# Altium PCB PCB3.PcbDoc (part 3 of 3)
Units mm, origin at the board's own origin, x right, y up, seen from the top; angles counter-clockwise.
Board outline 202.9 x 84.5 mm, 4 copper layers (Top Layer, GND, POWER, Bottom Layer), stack 1.564 mm thick; 186 components, 192 nets, 845 pads, 410 vias.
Unrouted connection lines stored in the file: 199.
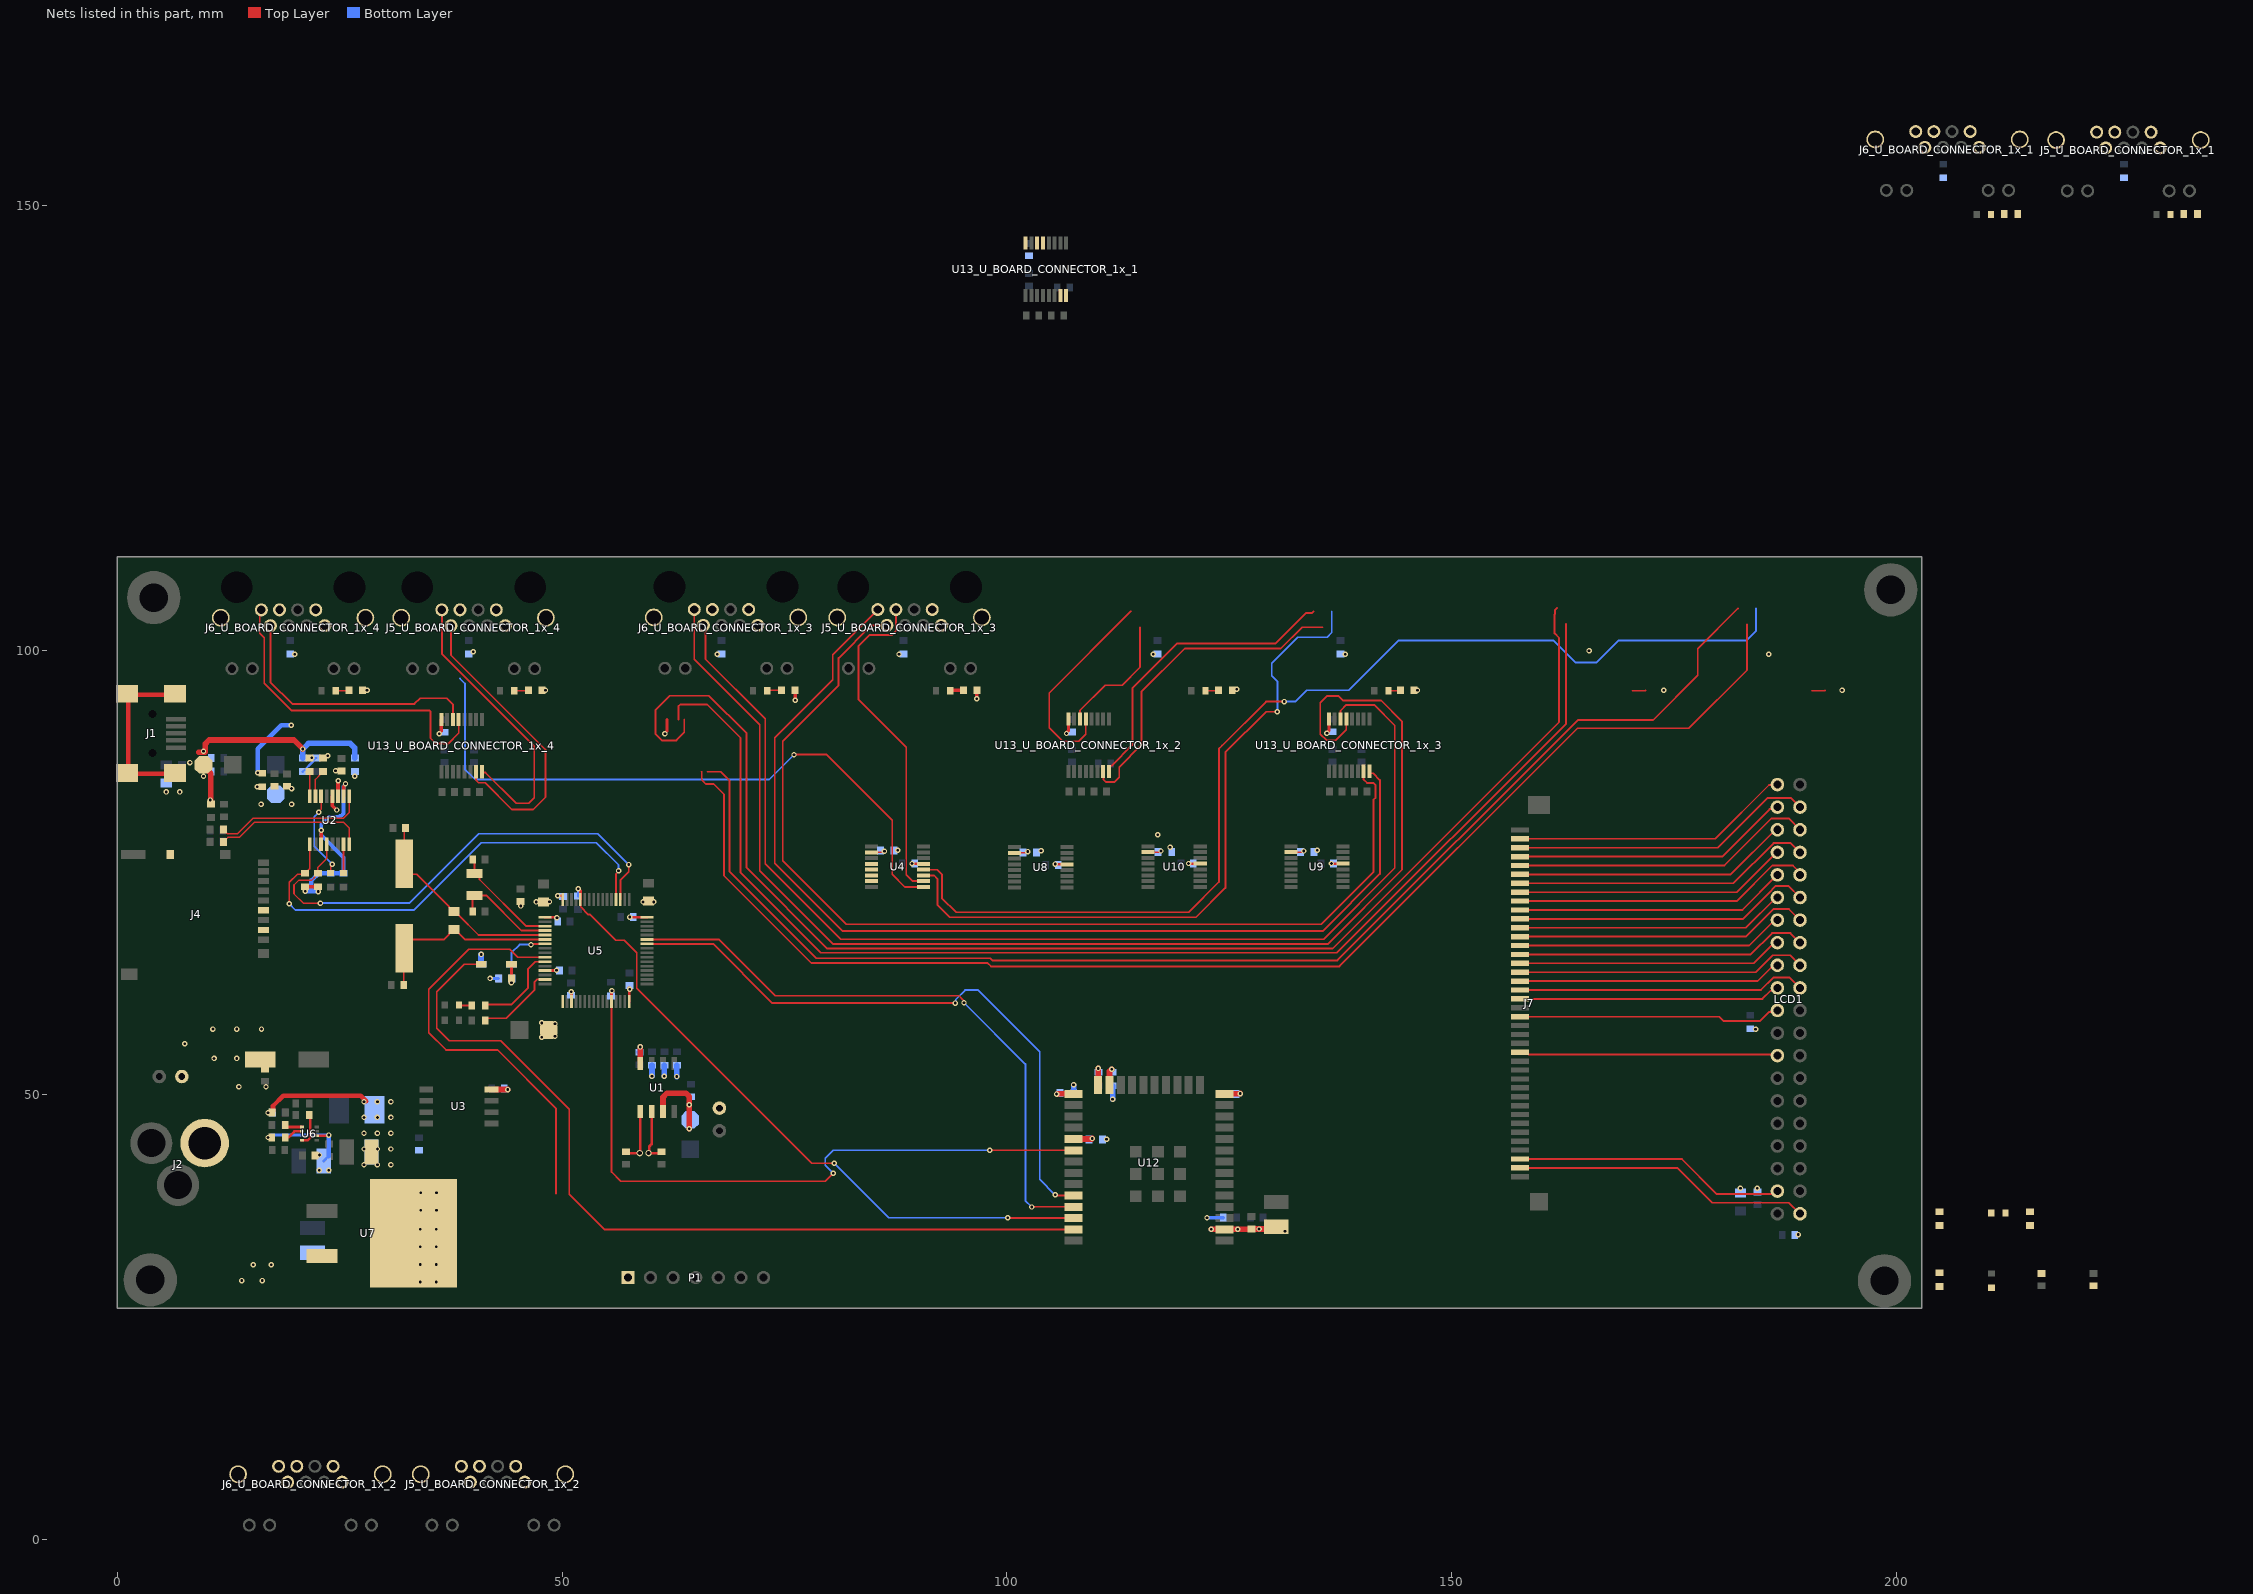
[diagram p5: the nets of this part, all layers, seen from the top]

## Via types
v1: diameter 0.61, hole 0.305, Top Layer to Bottom Layer, tented both sides, 344 vias
v2: diameter 0.61, hole 0.305, Top Layer to Bottom Layer, 66 vias

## Nets (pads, with @x,y where several pads share a name; then routed paths per layer and width w, separated by ;. In a path a pad name is that pad's centre, name@x,y a point inside that pad or via, vN(x,y) a via of type N, cw(c..) or ccw(c..) an arc to the next point about the centre after c; other vN are vias at no path point) (continued)
NetD6_1: D6.1 R33.1 | length 1.5
  Top Layer w0.203: D6.1@38.4,60.1 38.449,60.052 R33.1@39.838,60.052
NetD7_U_BOARD_CONNECTOR_1x_1_1: D7_U_BOARD_CONNECTOR_1x_1.1 R34_U_BOARD_CONNECTOR_1x_1.1 | length 1.5
  Top Layer w0.203: 190.538,95.455 191.975,95.455 192.024,95.504
NetD7_U_BOARD_CONNECTOR_1x_2_1: D7_U_BOARD_CONNECTOR_1x_2.1 R34_U_BOARD_CONNECTOR_1x_2.1 | length 1.4
  Top Layer w0.203: D7_U_BOARD_CONNECTOR_1x_2.1@142.913,95.455 144.223,95.455 R34_U_BOARD_CONNECTOR_1x_2.1@144.272,95.504
NetD7_U_BOARD_CONNECTOR_1x_3_1: D7_U_BOARD_CONNECTOR_1x_3.1 R34_U_BOARD_CONNECTOR_1x_3.1 | length 1.5
  Top Layer w0.381: D7_U_BOARD_CONNECTOR_1x_3.1@93.637,95.455 93.686,95.504 R34_U_BOARD_CONNECTOR_1x_3.1@95.123,95.504
NetD7_U_BOARD_CONNECTOR_1x_4_1: D7_U_BOARD_CONNECTOR_1x_4.1 R34_U_BOARD_CONNECTOR_1x_4.1 | length 1.6
  Top Layer w0.203: D7_U_BOARD_CONNECTOR_1x_4.1@44.615,95.455 46.179,95.455 R34_U_BOARD_CONNECTOR_1x_4.1@46.228,95.504
NetD8_U_BOARD_CONNECTOR_1x_1_1: D8_U_BOARD_CONNECTOR_1x_1.1 R35_U_BOARD_CONNECTOR_1x_1.1 | length 1.5
  Top Layer w0.203: 170.345,95.455 171.782,95.455 171.831,95.504
NetD8_U_BOARD_CONNECTOR_1x_2_1: D8_U_BOARD_CONNECTOR_1x_2.1 R35_U_BOARD_CONNECTOR_1x_2.1 | length 1.5
  Top Layer w0.203: D8_U_BOARD_CONNECTOR_1x_2.1@122.339,95.455 123.776,95.455 R35_U_BOARD_CONNECTOR_1x_2.1@123.825,95.504
NetD8_U_BOARD_CONNECTOR_1x_3_1: D8_U_BOARD_CONNECTOR_1x_3.1 R35_U_BOARD_CONNECTOR_1x_3.1 | length 1.6
  Top Layer w0.203: D8_U_BOARD_CONNECTOR_1x_3.1@73.063,95.455 73.112,95.504 R35_U_BOARD_CONNECTOR_1x_3.1@74.676,95.504
NetD8_U_BOARD_CONNECTOR_1x_4_1: D8_U_BOARD_CONNECTOR_1x_4.1 R35_U_BOARD_CONNECTOR_1x_4.1 | length 1.5
  Top Layer w0.203: D8_U_BOARD_CONNECTOR_1x_4.1@24.549,95.455 25.986,95.455 R35_U_BOARD_CONNECTOR_1x_4.1@26.035,95.504
NetD9_1: D9.1 R37.1
NetD10_1: D10.1 R39.1
NetJ7_3: J7.3 LCD1.3 | length 34.3
  Top Layer w0.203: J7.3@157.7,77.8 179.971,77.8 185.571,83.4 186.227,83.4 186.229,83.401 188.159,83.401 LCD1.3@189.2,82.36
NetJ7_4: J7.4 LCD1.4 | length 31.3
  Top Layer w0.203: J7.4@157.7,76.8 180.438,76.8 185.778,82.14 186.44,82.14 LCD1.4@186.66,82.36
NetJ7_5: J7.5 LCD1.5 | length 34.2
  Top Layer w0.203: J7.5@157.7,75.8 180.696,75.8 185.996,81.1 187.92,81.1 LCD1.5@189.2,79.82
NetJ7_6: J7.6 LCD1.6 | length 31
  Top Layer w0.203: J7.6@157.7,74.8 181.422,74.8 186.442,79.82 LCD1.6@186.66,79.82
NetJ7_7: J7.7 LCD1.7 | length 33.8
  Top Layer w0.203: J7.7@157.7,73.8 181.707,73.8 186.229,78.321 188.159,78.321 LCD1.7@189.2,77.28
NetJ7_8: J7.8 LCD1.8 | length 30.8
  Top Layer w0.203: J7.8@157.7,72.8 182.083,72.8 186.563,77.28 LCD1.8@186.66,77.28
NetJ7_9: J7.9 LCD1.9 | length 33.7
  Top Layer w0.203: J7.9@157.7,71.8 182.1,71.8 186.1,75.8 188.4,75.8 189.2,75 LCD1.9@189.2,74.74
NetJ7_10: J7.10 LCD1.10 | length 30.6
  Top Layer w0.203: J7.10@157.7,70.8 182.72,70.8 LCD1.10@186.66,74.74
NetJ7_11: J7.11 LCD1.11 | length 33.6
  Top Layer w0.203: J7.11@157.7,69.8 182.8,69.8 185.619,72.619 185.619,72.631 186.487,73.5 187.9,73.5 LCD1.11@189.2,72.2
NetJ7_12: J7.12 LCD1.12 | length 30.4
  Top Layer w0.203: J7.12@157.7,68.8 183.114,68.8 186.514,72.2 LCD1.12@186.66,72.2
NetJ7_13: J7.13 LCD1.13 | length 33.3
  Top Layer w0.203: J7.13@157.7,67.8 183.1,67.8 186.2,70.9 187.96,70.9 LCD1.13@189.2,69.66
NetJ7_14: J7.14 LCD1.14 | length 30.1
  Top Layer w0.203: J7.14@157.7,66.8 183.469,66.8 186.329,69.66 LCD1.14@186.66,69.66
NetJ7_15: J7.15 LCD1.15 | length 32.9
  Top Layer w0.203: J7.15@157.7,65.8 183.662,65.8 186.062,68.2 188.12,68.2 LCD1.15@189.2,67.12
NetJ7_16: J7.16 LCD1.16 | length 29.9
  Top Layer w0.203: J7.16@157.7,64.8 183.984,64.8 186.304,67.12 LCD1.16@186.66,67.12
NetJ7_17: J7.17 LCD1.17 | length 32.8
  Top Layer w0.203: J7.17@157.7,63.8 184.226,63.8 186.126,65.7 188.08,65.7 LCD1.17@189.2,64.58
NetJ7_18: J7.18 LCD1.18 | length 29.7
  Top Layer w0.203: J7.18@157.7,62.8 184.42,62.8 185.947,64.327 186.407,64.327 LCD1.18@186.66,64.58
NetJ7_19: J7.19 LCD1.19 | length 32.6
  Top Layer w0.203: J7.19@157.7,61.8 184.8,61.8 186.2,63.2 188.04,63.2 LCD1.19@189.2,62.04
NetJ7_20: J7.20 LCD1.20 | length 29.5
  Top Layer w0.203: J7.20@157.7,60.8 184.968,60.8 185.883,61.715 185.978,61.715 186.303,62.04 LCD1.20@186.66,62.04
NetJ7_22: J7.22 LCD1.22 | length 29.7
  Top Layer w0.203: J7.22@157.7,58.8 180.1,58.8 180.6,58.3 184.677,58.3 185.717,59.34 186.5,59.34 LCD1.22@186.66,59.5
NetJ7_26: J7.26 LCD1.26 | length 29.1
  Top Layer w0.203: J7.26@157.7,54.8 158.4,54.8 158.656,54.544 186.536,54.544 LCD1.26@186.66,54.42
NetR4_2: R4.2 U4.2 | length 1.6
  Top Layer w0.203: U4.2@84.778,77.281 86.002,77.281 86.132,77.411 v1@86.311,77.411
  other v1: 86.244,77.413
NetR5_2: R5.2 U8.2 | length 1.6
  Top Layer w0.203: U8.2@100.889,77.231 102.113,77.231 102.243,77.361 v1@102.422,77.361
  other v1: 102.355,77.363
NetR6_2: R6.2 U9.2 | length 1.6
  Top Layer w0.203: U9.2@131.946,77.297 133.17,77.297 133.3,77.427 v1@133.479,77.427
  other v1: 133.412,77.429
NetR11_2: R11.2 U10.2 | length 1.6
  Top Layer w0.203: U10.2@115.882,77.297 117.106,77.297 117.236,77.427 v1@117.415,77.427
  other v1: 117.348,77.429
NetR12_2: R12.2 U12.25 | length 1.8
  Top Layer w0.635: v1@105.7,50.1 105.724,50.124 U12.25@107.498,50.124
  other v1: 105.6,50.1
NetR13_2: R13.2 U12.29 | length 2.1
  Top Layer w0.635: U12.29@107.498,45.044 109.544,45.044 v1(109.6,45.1)
NetR17_2: R17.2 U2.15 | length 3.2
  Top Layer w0.178: U2.15@22.258,83.595 22.258,85.48 22.778,86 22.778,86.064 23.07,86.356 R17.2@23.134,86.356
NetR20_2: R20.2 U12.23 | length 1.9
  Top Layer w0.635: U12.23@111.553,51.124 111.553,52.653 v1(111.8,52.9)
NetR21_1: R21.1 U12.14 | length 1.8
  Top Layer w0.635: U12.14@124.498,50.124 126.227,50.124 v1(126.258,50.156)
NetR23_1: R23.1 R24.2 R25.1 | length 2.2
  Bottom Layer w0.254: R23.1@20.848,86.356 22.054,87.562 22.054,87.626 22.308,87.88 R25.1@22.372,87.88
  other v2: 21.847,87.916
NetR26_1: R26.1 U12.24 | length 1.9
  Top Layer w0.635: U12.24@110.283,51.124 110.283,52.97 v1(110.295,52.982)
NetR32_2: R32.2 U5.15 | length 9.2
  Top Layer w0.203: R32.2@41.362,58.351 41.639,58.629 43.729,58.629 46.884,61.784 46.884,62.684 47.2,63 48.052,63 U5.15@48.068,62.984
NetR33_2: R33.2 U5.11 | length 10
  Top Layer w0.203: R33.2@41.362,60.052 41.479,60.168 43.342,60.168 43.358,60.184 44.345,60.184 46.152,61.992 46.152,64.152 46.984,64.984 U5.11@48.068,64.984
NetR43_2: R43.2 U6.8 | length 3.8
  Top Layer w0.305: U6.8@20.739,44.902 U6.8@20.739,44.902 21.373,44.9 21.689,45.217 R43.2@21.689,47.944
NetR52_1: R52.1 U6.6 | length 2.1
  Top Layer w0.305: R52.1@18.88,45.228 19.237,45.228 19.911,45.902 U6.6@20.739,45.902
NetR53_1: R53.1 U6.5 | length 2
  Top Layer w0.305: R53.1@18.88,46.628 19.106,46.402 U6.5@20.739,46.402
nRST: C12.1 D1.1 D2.1 R10.1 U5.7 | length 8.7
  Top Layer w0.203: v1(46.5,66.9) 46.61,66.9 46.694,66.984 U5.7@48.068,66.984
  Top Layer w0.305: C12.1@44.3,63.1 D2.1@44.3,64.7
  Bottom Layer w0.203: R10.1@44.3,63.162 R10.1@44.362,63.1 ; D1.1@44.3,64.7 44.3,65.975 45.225,66.9 v1(46.5,66.9)
  Bottom Layer w0.254: R10.1@44.3,63.162 D1.1@44.3,64.7
  other v1: 44.3,62.6
OSC32_IN: C52.1 U5.3 X2.1 | length 12.2
  Top Layer w0.203: C52.1@39.94,76.454 40.132,76.262 X2.1@40.132,74.91 40.312,74.91 40.711,74.512 40.711,74.224 45.951,68.984 U5.3@48.068,68.984
OSC32_OUT: C53.1 U5.4 X2.2 | length 11.4
  Top Layer w0.203: C53.1@39.94,70.612 39.94,72.218 X2.2@40.132,72.41 41.509,72.41 45.435,68.484 U5.4@48.068,68.484
OSC_IN: C51.1 R36.1 U5.5 X3.1 | length 23.4
  Top Layer w0.203: C51.1@32.385,80.01 32.258,79.883 X3.1@32.258,75.997 32.258,75.71 33.156,74.811 33.647,74.811 37.313,71.145 37.313,71.018 37.719,70.612 37.973,70.612 38.379,70.206 40.601,67.984 U5.5@48.068,67.984
OSC_OUT: C13.1 R36.2 U5.6 X3.2 | length 21.4
  Top Layer w0.203: C13.1@32.196,62.357 32.196,66.435 X3.2@32.258,66.497 32.258,66.586 33.156,67.484 36.75,67.484 37.313,68.047 37.313,68.174 37.719,68.58 37.973,68.58 39.069,67.484 46.258,67.484 46.742,67.484 U5.6@48.068,67.484
RS232_RX_L_U_BOARD_CONNECTOR_1x_1: J6_U_BOARD_CONNECTOR_1x_1.1 U13_U_BOARD_CONNECTOR_1x_1.13 | length 154.7
  Top Layer w0.203: 63.74,92.223 63.74,90.76 62.849,89.87 61.22,89.87 60.511,90.578 60.511,93.316 62.091,94.896 66.509,94.896 70.739,90.666 70.739,75.543 79.827,66.454 136.63,66.454 162.1,91.924 162.1,101.4 161.6,101.9 161.6,104.012 161.639,104.051 161.639,104.519 161.88,104.76
RS232_RX_L_U_BOARD_CONNECTOR_1x_2: J6_U_BOARD_CONNECTOR_1x_2.1 U13_U_BOARD_CONNECTOR_1x_2.13 | length 23.7
  Top Layer w0.203: U13_U_BOARD_CONNECTOR_1x_2.13@108.888,92.262 108.888,90.565 108.09,89.767 106.312,89.767 104.775,91.304 104.775,95.195 113.96,104.38
RS232_RX_L_U_BOARD_CONNECTOR_1x_3: J6_U_BOARD_CONNECTOR_1x_3.1 U13_U_BOARD_CONNECTOR_1x_3.13 | length 147.3
  Top Layer w0.203: J6_U_BOARD_CONNECTOR_1x_3.1@64.86,104.59 64.86,98.999 72.214,91.645 72.214,75.229 80.476,66.967 136.078,66.967 144.458,75.347 144.458,91.986 142.083,94.361 137.795,94.361 137.287,94.869 136.017,94.869 135.255,94.107 135.255,90.581 135.963,89.873 136.993,89.873 138.179,91.059 U13_U_BOARD_CONNECTOR_1x_3.13@138.179,92.276
RS232_RX_L_U_BOARD_CONNECTOR_1x_4: J6_U_BOARD_CONNECTOR_1x_4.1 U13_U_BOARD_CONNECTOR_1x_4.13 | length 37
  Top Layer w0.203: J6_U_BOARD_CONNECTOR_1x_4.1@16.178,104.544 16,104.366 16,101.9 16.5,101.4 16.5,96.3 19.561,93.239 35.081,93.239 35.2,93.12 35.2,90.105 35.8,89.505 37.181,89.505 38.375,90.699 U13_U_BOARD_CONNECTOR_1x_4.13@38.375,92.223
RS232_RX_V_U_BOARD_CONNECTOR_1x_1: J5_U_BOARD_CONNECTOR_1x_1.1 U13_U_BOARD_CONNECTOR_1x_1.8 | length 148.8
  Top Layer w0.203: 66.34,86.347 67.831,86.347 68.834,85.344 68.834,75.09 78.557,65.367 98.141,65.367 98.384,65.124 137.183,65.124 164.209,92.15 172.668,92.15 177.698,97.18 177.698,100.178 182.22,104.7
RS232_RX_V_U_BOARD_CONNECTOR_1x_2: J5_U_BOARD_CONNECTOR_1x_2.1 U13_U_BOARD_CONNECTOR_1x_2.8 | length 34.5
  Top Layer w0.203: U13_U_BOARD_CONNECTOR_1x_2.8@111.488,86.386 111.488,86.898 111.611,87.022 111.787,87.022 114.129,89.364 114.129,95.714 119.189,100.774 130.238,100.774 133.643,104.179 134.299,104.179 134.5,104.38
RS232_RX_V_U_BOARD_CONNECTOR_1x_3: J5_U_BOARD_CONNECTOR_1x_3.1 U13_U_BOARD_CONNECTOR_1x_3.8 | length 119.4
  Top Layer w0.203: J5_U_BOARD_CONNECTOR_1x_3.1@85.5,104.58 80.439,99.519 80.439,96.695 73.914,90.17 73.914,76.073 81.56,68.427 135.53,68.427 141.962,74.858 141.962,85.4 141.19,86.172 140.902,86.172 140.779,86.296 U13_U_BOARD_CONNECTOR_1x_3.8@140.779,86.4
RS232_RX_V_U_BOARD_CONNECTOR_1x_4: J5_U_BOARD_CONNECTOR_1x_4.1 U13_U_BOARD_CONNECTOR_1x_4.8 | length 33
  Top Layer w0.203: J5_U_BOARD_CONNECTOR_1x_4.1@36.479,104.544 36.479,99.617 46.863,89.232 46.863,83.439 46.228,82.804 44.831,82.804 41.386,86.249 41.098,86.249 41.001,86.347 U13_U_BOARD_CONNECTOR_1x_4.8@40.975,86.347
RS232_TX_L_U_BOARD_CONNECTOR_1x_1: J6_U_BOARD_CONNECTOR_1x_1.2 U13_U_BOARD_CONNECTOR_1x_1.14 | length 143.7
  Top Layer w0.203: 63.09,92.223 63.09,93.718 63.278,93.907 66.305,93.907 70.073,90.139 70.073,74.977 79.071,65.979 137.121,65.979 162.9,91.758 162.9,102.98
RS232_TX_L_U_BOARD_CONNECTOR_1x_2: J6_U_BOARD_CONNECTOR_1x_2.2 U13_U_BOARD_CONNECTOR_1x_2.14 | length 14.2
  Top Layer w0.203: U13_U_BOARD_CONNECTOR_1x_2.14@108.238,92.262 108.238,93.252 111.061,96.075 112.966,96.075 114.98,98.089 114.98,102.6
RS232_TX_L_U_BOARD_CONNECTOR_1x_3: J6_U_BOARD_CONNECTOR_1x_3.2 U13_U_BOARD_CONNECTOR_1x_3.14 | length 131.6
  Top Layer w0.203: J6_U_BOARD_CONNECTOR_1x_3.2@65.88,102.81 66.12,102.57 66.12,99.009 72.849,92.28 72.849,75.995 81.335,67.509 135.628,67.509 143.637,75.518 143.637,91.545 141.329,93.853 138.176,93.853 137.529,93.206 U13_U_BOARD_CONNECTOR_1x_3.14@137.529,92.276
RS232_TX_L_U_BOARD_CONNECTOR_1x_4: J6_U_BOARD_CONNECTOR_1x_4.2 U13_U_BOARD_CONNECTOR_1x_4.14 | length 30.1
  Top Layer w0.203: J6_U_BOARD_CONNECTOR_1x_4.2@17.198,102.764 17.2,102.763 17.2,96.416 19.646,93.97 33.391,93.97 34.036,94.615 37.026,94.615 37.725,93.916 U13_U_BOARD_CONNECTOR_1x_4.14@37.725,92.223
RS232_TX_V_U_BOARD_CONNECTOR_1x_1: J5_U_BOARD_CONNECTOR_1x_1.2 U13_U_BOARD_CONNECTOR_1x_1.7 | length 151.5
  Top Layer w0.203: 65.69,86.347 65.706,86.33 65.706,85.424 66.167,84.963 67.056,84.963 68.205,83.814 68.205,74.663 78.043,64.825 97.861,64.825 98.228,64.458 137.41,64.458 164.177,91.226 176.697,91.226 183.24,97.769 183.24,102.92
RS232_TX_V_U_BOARD_CONNECTOR_1x_2: J5_U_BOARD_CONNECTOR_1x_2.2 U13_U_BOARD_CONNECTOR_1x_2.7 | length 37.1
  Top Layer w0.203: U13_U_BOARD_CONNECTOR_1x_2.7@110.838,86.386 110.879,86.345 110.879,85.463 111.168,85.174 112.098,85.174 112.649,85.725 112.649,86.868 115.145,89.364 115.145,95.333 120.015,100.203 130.81,100.203 133.207,102.6 135.52,102.6
RS232_TX_V_U_BOARD_CONNECTOR_1x_3: J5_U_BOARD_CONNECTOR_1x_3.2 U13_U_BOARD_CONNECTOR_1x_3.7 | length 116.6
  Top Layer w0.203: J5_U_BOARD_CONNECTOR_1x_3.2@86.52,102.8 84.766,102.8 81.089,99.123 81.089,96.075 74.803,89.789 74.803,76.327 81.944,69.186 135.353,69.186 141.224,75.057 141.224,83.185 141.478,83.439 141.478,84.836 141.224,85.09 140.504,85.09 140.129,85.465 U13_U_BOARD_CONNECTOR_1x_3.7@140.129,86.4
RS232_TX_V_U_BOARD_CONNECTOR_1x_4: J5_U_BOARD_CONNECTOR_1x_4.2 U13_U_BOARD_CONNECTOR_1x_4.7 | length 34.4
  Top Layer w0.203: J5_U_BOARD_CONNECTOR_1x_4.2@37.499,102.764 37.499,99.468 48.133,88.834 48.133,83.482 46.751,82.1 44.345,82.1 41.34,85.105 40.6,85.105 40.325,85.38 U13_U_BOARD_CONNECTOR_1x_4.7@40.325,86.347
RXD: R15.2 U2.4 U5.51 | length 55.3
  Top Layer w0.178: v1(22.82,71.548) 20.907,71.548 19.853,72.601 19.853,73.608 20.41,74.164 21.864,74.164 22.186,74.486 22.186,74.634 22.478,74.926 R15.2@22.541,74.926 22.541,75.603 23.528,76.59 U2.4@23.528,78.171
  Top Layer w0.203: U5.51@56.556,71.972 56.556,74.149 57.498,75.091 v1(57.498,75.907)
  Bottom Layer w0.203: v1(22.82,71.548) 22.82,71.392 22.839,71.374 23.055,71.591 32.856,71.591 40.64,79.375 54.029,79.375 v1(57.498,75.907)
RXLED: D4.2 U2.14 | length 9.9
  Top Layer w0.178: v2(22.626,81.784) 22.626,81.836 22.894,82.104 U2.14@22.894,83.595 ; D4.2@23.977,74.964 23.977,75.652 24.15,75.825 v2(24.15,75.942)
  Bottom Layer w0.178: v2(22.626,81.784) 22.626,81.76 22.133,81.267 22.133,77.959 v2(24.15,75.942)
SDCARD_CS: J4.2 U5.10 | length 47.6
  Top Layer w0.203: U5.10@48.068,65.484 45.016,65.484 44.116,66.384 39.484,66.384 35,61.9 35,57 36.95,55.05 42.75,55.05 49.3,48.5 49.3,38.933
SDCARD_DETECT: D9.2 J4.MP4 R38.2 U5.17
SHIELD: C86.2 J1.MP1 J1.MP2 J1.MP3 J1.MP4 J5_U_BOARD_CONNECTOR_1x_1.MH1 J5_U_BOARD_CONNECTOR_1x_1.MH2 J5_U_BOARD_CONNECTOR_1x_2.MH1 J5_U_BOARD_CONNECTOR_1x_2.MH2 J5_U_BOARD_CONNECTOR_1x_3.MH1 J5_U_BOARD_CONNECTOR_1x_3.MH2 J5_U_BOARD_CONNECTOR_1x_4.MH1 J5_U_BOARD_CONNECTOR_1x_4.MH2 J6_U_BOARD_CONNECTOR_1x_1.MH1 J6_U_BOARD_CONNECTOR_1x_1.MH2 J6_U_BOARD_CONNECTOR_1x_2.MH1 J6_U_BOARD_CONNECTOR_1x_2.MH2 J6_U_BOARD_CONNECTOR_1x_3.MH1 J6_U_BOARD_CONNECTOR_1x_3.MH2 J6_U_BOARD_CONNECTOR_1x_4.MH1 J6_U_BOARD_CONNECTOR_1x_4.MH2 R22.1 | length 19.7
  Top Layer w0.508: J1.MP2@6.624,86.092 1.204,86.092 1.204,94.992 J1.MP1@6.624,94.992
  other v2: 5.481,84.07 7.005,84.07
TXD: R16.2 U2.1 U5.52 | length 53.6
  Top Layer w0.178: v1(19.303,71.507) 19.324,71.528 19.324,73.913 20.238,74.827 21.003,74.827 R16.2@21.102,74.926 21.165,74.926 21.458,75.218 21.458,75.282 21.624,75.448 U2.1@21.624,78.171
  Top Layer w0.203: U5.52@56.056,71.972 56.056,74.875 56.349,75.168 v1(56.349,75.198)
  Bottom Layer w0.203: v1(19.303,71.507) 20.02,70.79 33.325,70.79 40.894,78.359 53.848,78.359 56.349,75.858 v1(56.349,75.198)
TXLED: D3.2 U2.7 | length 3.1
  Top Layer w0.178: D3.2@25.42,74.964 U2.7@25.42,78.114
UART1_RX: U5.43 U12.35 | length 69.5
  Top Layer w0.203: U5.43@59.544,67.484 67.619,67.484 73.95,61.153 94.629,61.153 95.116,60.666 95.116,60.454 v1(95.194,60.376) ; v1@102.8,37.424 U12.35@107.498,37.424
  Bottom Layer w0.203: v1(95.194,60.376) 102.1,53.47 102.1,38.1 v1(102.8,37.4)
UART1_TX: U5.42 U12.34 | length 69.4
  Top Layer w0.203: U5.42@59.544,66.984 66.978,66.984 73.633,60.329 v1(94.205,60.329) ; v1(105.456,38.791) 105.566,38.791 105.662,38.694 U12.34@107.498,38.694
  Bottom Layer w0.203: v1(94.205,60.329) 94.259,60.383 94.259,60.731 95.313,61.785 96.779,61.785 103.7,54.864 103.7,40.5 v1@105.4,38.8
USBDP_N: R18.2 U2.9 | length 17.2
  Top Layer w0.178: R18.2@11.918,79.839 11.918,79.776 12.21,79.484 12.273,79.484 12.369,79.388 13.523,79.388 15.234,81.099 25.42,81.099 26.068,81.747 U2.9@26.068,83.595
USBDP_P: R19.2 U2.8 | length 17.2
  Top Layer w0.178: R19.2@11.918,78.451 11.918,78.514 12.21,78.806 12.273,78.806 12.423,78.956 13.702,78.956 15.413,80.667 25.42,80.667 26.068,80.019 U2.8@26.068,78.171
V_SENSE1: J5_U_BOARD_CONNECTOR_1x_1.3 U4.4
V_SENSE2: J6_U_BOARD_CONNECTOR_1x_1.3 U4.5
V_SENSE3: J5_U_BOARD_CONNECTOR_1x_2.3 U4.6
V_SENSE4: J6_U_BOARD_CONNECTOR_1x_2.3 U4.7
V_SENSE5: J5_U_BOARD_CONNECTOR_1x_3.3 U4.12 | length 123.6
  Top Layer w0.203: U4.12@90.654,75.331 92.179,75.331 92.708,74.801 92.708,72.138 94.311,70.535 120.446,70.535 123.854,73.943 123.854,88.929 124.206,89.281 129.159,94.234 v1(131.191,94.234)
  Bottom Layer w0.203: v1(131.191,94.234) 132.461,94.234 133.731,95.504 138.435,95.504 144.023,101.092 161.509,101.092 163.983,98.618 166.309,98.618 168.783,101.092 183.134,101.092 184.26,102.218 184.26,104.7
V_SENSE6: J6_U_BOARD_CONNECTOR_1x_3.3 U4.11 | length 78.2
  Top Layer w0.203: U4.11@90.654,74.681 91.816,74.681 92.202,74.295 92.202,71.374 93.605,69.971 121.279,69.971 124.587,73.279 124.587,88.519 129.159,93.091 v1(130.429,93.091)
  Bottom Layer w0.203: v1(130.429,93.091) 130.429,96.52 129.794,97.155 129.794,98.552 132.715,101.473 136.017,101.473 136.54,101.996 136.54,104.38
V_SENSE7: J5_U_BOARD_CONNECTOR_1x_4.3 U4.10 | length 37.5
  Top Layer w0.203: 87.54,104.58 87.54,102.145 87.122,101.727 84.589,101.727 83.312,100.45 83.312,94.488 88.689,89.111 88.689,74.76 89.378,74.071 90.614,74.071 U4.10@90.654,74.031
V_SENSE8: J6_U_BOARD_CONNECTOR_1x_4.3 U4.9 | length 73.4
  Top Layer w0.203: v1(76.073,88.265) 79.756,88.265 87.128,80.893 87.128,74.797 88.544,73.381 U4.9@90.654,73.381
  Bottom Layer w0.203: 38.519,96.821 39.074,96.266 39.074,86.621 40.223,85.471 73.279,85.471 v1(76.073,88.265)
VBAT: C2.1 C3.1 J3.2 U1.3 | length 8.5
  Top Layer w0.635: U1.3@61.338,48.132 61.338,49.738 61.8,50.2 63.928,50.2 64.3,49.828 v1(64.3,46.2)
  other v1: 64.3,48.9
VBUS_SENSE: R24.1 U2.16 | length 2.8
  Top Layer w0.178: R24.1@21.61,86.356 21.61,85.848 21.624,85.834 U2.16@21.624,83.595
VCC_3V3: C1.1 C6.2 C7.2 C9.1 C10.2 C11.1 C14.2 C15.1 C16.1 C17.1 C18.1 C19.1 C20.1 C21.1 C22.1 C23.1 C24.1 C29.1 C30.2 C32.1 C34.2 C36.1 C37.2 C39_U_BOARD_CONNECTOR_1x_1.2 C39_U_BOARD_CONNECTOR_1x_2.2 C39_U_BOARD_CONNECTOR_1x_3.2 C39_U_BOARD_CONNECTOR_1x_4.2 C54.2 C55.1 D1.2 J4.4 J7.2 J7.38 J7.39 L2.1 LCD1.2 LCD1.38 LCD1.39 P1.1 R1.2 R2.2 R3.2 R4.1 R5.1 R6.1 R10.2 R11.1 R12.1 R13.1 R14.1 R20.1 R27.2 R28_U_BOARD_CONNECTOR_1x_1.1 R28_U_BOARD_CONNECTOR_1x_2.1 R28_U_BOARD_CONNECTOR_1x_3.1 R28_U_BOARD_CONNECTOR_1x_4.1 R29_U_BOARD_CONNECTOR_1x_1.1 R29_U_BOARD_CONNECTOR_1x_2.1 R29_U_BOARD_CONNECTOR_1x_3.1 R29_U_BOARD_CONNECTOR_1x_4.1 R34_U_BOARD_CONNECTOR_1x_1.2 R34_U_BOARD_CONNECTOR_1x_2.2 R34_U_BOARD_CONNECTOR_1x_3.2 R34_U_BOARD_CONNECTOR_1x_4.2 R35_U_BOARD_CONNECTOR_1x_1.2 R35_U_BOARD_CONNECTOR_1x_2.2 R35_U_BOARD_CONNECTOR_1x_3.2 R35_U_BOARD_CONNECTOR_1x_4.2 R37.2 R38.1 R39.2 U1.8 U3.8 U4.13 U5.1 U5.13 U5.19 U5.32 U5.48 U5.64 U7.4 U8.13 U9.13 U10.13 U12.2 U13_U_BOARD_CONNECTOR_1x_1.16 U13_U_BOARD_CONNECTOR_1x_2.16 U13_U_BOARD_CONNECTOR_1x_3.16 U13_U_BOARD_CONNECTOR_1x_4.16 | length 148.2
  Top Layer w0.203: J7.39@157.7,41.8 175.4,41.8 179.316,37.884 187.956,37.884 LCD1.39@189.2,36.64 ; J7.38@157.7,42.8 175.914,42.8 179.86,38.855 185.977,38.855 186.303,39.18 LCD1.38@186.66,39.18 ; J7.2@157.7,78.8 179.664,78.8 185.712,84.848 186.608,84.848 LCD1.2@186.66,84.9
  Top Layer w0.305: U5.13@48.068,63.984 49.339,63.984 v1(49.372,64.018) ; U5.1@48.068,69.984 49.261,69.984 49.333,69.913 v1(49.415,69.913) ; v1@49.6,72.4 50.054,72.4 50.056,72.398 U5.64@50.056,71.972 ; v1(51.03,61.617) 51.056,61.591 U5.19@51.056,60.496 ; v1@57.492,62.017 57.556,61.953 U5.32@57.556,60.496 ; v1(57.6,70) 57.616,69.984 U5.48@59.544,69.984 ; v1@89.305,75.981 U4.13@90.654,75.981 ; v1@105.416,75.931 U8.13@106.765,75.931 ; v1@120.409,75.997 U10.13@121.758,75.997 ; v1@136.473,75.997 U9.13@137.822,75.997
  Top Layer w0.381: v1(36.2,90.605) 36.2,90.667 36.425,90.892 U13_U_BOARD_CONNECTOR_1x_4.16@36.425,92.223 ; v1(61.565,90.605) 61.565,90.667 61.79,90.892 61.79,92.223 ; R35_U_BOARD_CONNECTOR_1x_3.2@76.2,95.504 76.2,94.385 v1(76.204,94.381) ; v1(96.632,94.552) 96.635,94.554 96.635,95.492 R34_U_BOARD_CONNECTOR_1x_3.2@96.647,95.504 ; v1(106.713,90.644) 106.713,90.706 106.938,90.931 U13_U_BOARD_CONNECTOR_1x_2.16@106.938,92.262 ; v1(136.004,90.658) 136.004,90.72 136.229,90.945 U13_U_BOARD_CONNECTOR_1x_3.16@136.229,92.276
  Top Layer w0.635: U3.8@42.075,50.605 43.895,50.605 v1(43.9,50.6) ; U1.8@58.798,53.532 v1@58.798,55.398 ; v1(123,34.9) 124.482,34.9 U12.2@124.498,34.884 126.949,34.884 126.951,34.883 C29.1@127.917,34.883 ; C29.1@127.508,34.925 130.051,34.925 C30.2@130.302,35.176
  Bottom Layer w0.305: v1@41.932,63.133 41.965,63.1 R10.2@42.838,63.1
  Bottom Layer w0.381: v1(122.517,36.186) 124.324,36.186 R14.1@124.338,36.2
  Bottom Layer w0.508: v2(15.768,86.229) 15.768,88.92 18.415,91.567 v1(19.558,91.567)
  Bottom Layer w0.635: v1@40.88,65.8 40.88,64.72 D1.2@40.9,64.7 ; C1.1@58.7,54.8 58.737,54.8 58.8,54.864 v1(58.8,55.4) ; v1(60.1,52.1) R1.2@60.1,53.338 ; v1(61.485,52.117) 61.5,52.132 R3.2@61.5,53.338 ; v1(62.882,52.071) 62.9,52.089 R2.2@62.9,53.338 ; v1@107.515,51.084 107.515,50.209 R12.1@107.524,50.2 ; R20.1@111.9,51.038 111.9,49.528 v1@111.915,49.514
  other v1: 189,34.3 131.29,34.667 125.975,34.886 128.369,34.921 182.5,39.5 184.4,39.5 111.226,45.026 111.9,49.5 107.515,51.151 47.7,56.5 49.2,56.6 184.2,57.4 49.2,58 47.7,58.1 57.6,61.9 41.9,63.1 40.9,65.8 47.1,71.7 59.1,71.7 60.3,71.7 48.583,71.731 49.5,72.4 105.455,75.963 89.344,76.013 120.448,76.029 136.512,76.029 103.855,77.463 87.744,77.513 134.912,77.529 118.364,77.851 116.967,79.248 28.067,95.504 48.133,95.504 146.177,95.504 173.863,95.504 193.929,95.504 125.857,95.631 19.939,99.568 67.437,99.568 87.884,99.568 116.459,99.568 138.049,99.568 185.674,99.568 40.005,99.822 165.481,99.949
  other v2: 34.056,28.956 35.834,28.956 34.056,30.937 35.834,30.937 34.056,32.918 35.834,32.918 34.056,34.9 35.834,34.9 34.088,37.023 35.866,37.023 34.088,39.004 35.866,39.004 45.339,71.247
VCC_3V3_FTDI: C8.1 C35.1 C40.1 L2.2 R9.1 U2.12 | length 1.8
  Top Layer w0.381: U2.12@24.164,83.595 24.164,82.532 v2(24.658,82.038)
  other v2: 16.149,82.673 19.578,82.673 19.578,84.451 15.73,84.644 26.69,85.848
VCC_5V: C33.2 C74.2 C75.2 C76.1 L6.2 R44.2 U7.3 | length 12
  Top Layer w0.508: R44.2@17.363,48.048 17.49,48.175 17.49,48.76 18.64,49.91 27.346,49.91 v1@27.964,49.292
  other v1: 27.719,42.148 29.236,42.148 30.753,42.148 27.719,43.923 29.236,43.923 30.753,43.923 27.719,45.698 29.236,45.698 30.753,45.698 27.719,47.473 29.236,47.473 30.753,47.473 16.924,48.009 27.719,49.248 29.236,49.248 30.753,49.248
  other v2: 13.985,29.126 16.271,29.126 15.255,30.904 17.287,30.904
VCC_12V: C26.2 C27.2 C48.2 C49.1 J2.1 J5_U_BOARD_CONNECTOR_1x_1.7 J5_U_BOARD_CONNECTOR_1x_1.8 J5_U_BOARD_CONNECTOR_1x_2.7 J5_U_BOARD_CONNECTOR_1x_2.8 J5_U_BOARD_CONNECTOR_1x_3.7 J5_U_BOARD_CONNECTOR_1x_3.8 J5_U_BOARD_CONNECTOR_1x_4.7 J5_U_BOARD_CONNECTOR_1x_4.8 J6_U_BOARD_CONNECTOR_1x_1.7 J6_U_BOARD_CONNECTOR_1x_1.8 J6_U_BOARD_CONNECTOR_1x_2.7 J6_U_BOARD_CONNECTOR_1x_2.8 J6_U_BOARD_CONNECTOR_1x_3.7 J6_U_BOARD_CONNECTOR_1x_3.8 J6_U_BOARD_CONNECTOR_1x_4.7 J6_U_BOARD_CONNECTOR_1x_4.8 P2.1 R52.2 U6.2 | length 11.5
  Top Layer w0.305: U6.2@22.415,45.402 23.588,45.402 23.672,45.486 v1(23.755,45.486)
  Bottom Layer w0.305: v1(16.924,45.215) 16.985,45.215 17.255,45.486 v1(23.755,45.486) ; C26.2@23.196,42.569 C26.2@23.755,43.128
  Bottom Layer w0.508: C26.2@23.755,43.128 v1(23.755,45.486)
  other v1: 22.7,41.522 23.772,41.522 22.713,43.242 13.657,50.927 16.705,50.927 10.863,54.102 13.403,54.102 7.561,55.753 10.736,57.404 13.403,57.404 16.197,57.404
VCC_FTDI: C41.1 C42.2 C43.2 L4.1 R9.2 R23.2 | length 26.4
  Top Layer w0.635: 9.134,88.533 9.826,88.533 9.872,88.578 9.872,89.477 10.307,89.912 19.832,89.912 v2(20.848,88.896) ; C41.1@9.674,87.118 9.674,86.978 10.499,86.153 L4.1@10.499,82.725
  Bottom Layer w0.635: R23.2@20.848,87.88 v2(20.848,88.896) 21.483,89.531 26.182,89.531 26.69,89.023 R9.2@26.69,87.88
  other v2: 10.434,83.169 9.672,85.848 8.148,87.372 9.672,88.642
VCCIO: C85.2 R15.1 R16.1 R17.1 R30.2 R31.2 U2.3 U2.10 U2.11 | length 25.5
  Top Layer w0.406: R16.1@21.102,73.402 R15.1@22.541,73.402 ; U2.3@22.894,78.171 22.894,79.71 v2@22.918,79.734 ; U2.11@24.798,83.595 24.798,85.301 v2(24.814,85.316) ; U2.10@25.434,83.595 25.434,84.731
  Bottom Layer w0.406: R30.2@25.42,74.926 25.42,76.704 22.902,79.222 v2(22.902,79.775) 22.902,80.409 23.777,81.284 24.874,81.284 24.993,81.403 25.182,81.403 25.42,81.641 25.42,84.717 25.639,84.936 v2(25.639,84.991)
  Bottom Layer w0.508: v2(21.102,72.894) 21.817,72.894 ; v2(22.589,72.865) 22.562,72.865 22.533,72.894 21.817,72.894 ; R30.2@25.42,74.926 R31.2@23.981,74.926 22.626,74.926 21.817,74.117 21.817,72.894
  other v2: 24.524,86.44 23.642,88.134
WIFI_GPIO1: R8.1 U5.60 U12.36 | length 74.9
  Top Layer w0.203: U5.60@52.056,71.972 52.104,71.924 52.104,71.141 52.961,70.284 53.142,70.284 56.026,67.4 57,67.4 58.4,66 58.4,61.993 78.073,42.32 v1(80.615,42.32) ; v1(100.1,36.2) 100.146,36.154 U12.36@107.498,36.154
  Top Layer w0.305: 52.03,72.988 52.056,72.962 U5.60@52.056,71.972
  Bottom Layer w0.203: v1(80.615,42.32) 86.735,36.2 v1(100.1,36.2)
  Bottom Layer w0.305: R8.1@51.8,72.362 v1(51.8,73.2)
WIFI_GPIO2: D2.2 U12.37 | length 97
  Top Layer w0.203: D2.2@40.9,64.7 39,64.7 35.9,61.6 35.9,57.5 37.3,56.1 43.1,56.1 50.8,48.4 50.8,38.823 54.739,34.884 U12.37@107.498,34.884
WIFI_GPIO3: R7.1 U5.28 U12.30 | length 76.4
  Top Layer w0.203: U5.28@55.556,60.496 55.556,41.344 56.6,40.3 79.6,40.3 v1(80.5,41.2) ; v1(98.1,43.774) U12.30@107.498,43.774
  Top Layer w0.305: U5.28@55.556,60.496 55.556,61.58 v1@55.581,61.604
  Bottom Layer w0.203: v1(80.5,41.2) 79.6,42.1 79.6,42.9 80.474,43.774 v1(98.1,43.774)
  other v1: 55.6,61.7
X1: C5.1 U1.1 X1.1 | length 6.3
  Top Layer w0.305: C5.1@57.2,43.6 57.352,43.448 X1.1@58.729,43.448 58.798,43.517 U1.1@58.798,48.132
X2: C4.2 U1.2 X1.2 | length 6.4
  Top Layer w0.305: U1.2@60.068,48.132 60.068,44.468 59.8,44.2 59.8,43.519 X1.2@59.729,43.448 61.048,43.448 C4.2@61.2,43.6
pads on no net: J1.4 J1.MH1 J1.MH2 J2.3 J4.1 J4.8 J4.MP1 J4.MP2 J4.MP5 J4.MP6 J5_U_BOARD_CONNECTOR_1x_1.9 J5_U_BOARD_CONNECTOR_1x_1.10 J5_U_BOARD_CONNECTOR_1x_1.11 J5_U_BOARD_CONNECTOR_1x_1.12 J5_U_BOARD_CONNECTOR_1x_1.MH3 J5_U_BOARD_CONNECTOR_1x_1.MH4 J5_U_BOARD_CONNECTOR_1x_2.9 J5_U_BOARD_CONNECTOR_1x_2.10 J5_U_BOARD_CONNECTOR_1x_2.11 J5_U_BOARD_CONNECTOR_1x_2.12 J5_U_BOARD_CONNECTOR_1x_2.MH3 J5_U_BOARD_CONNECTOR_1x_2.MH4 J5_U_BOARD_CONNECTOR_1x_3.9 J5_U_BOARD_CONNECTOR_1x_3.10 J5_U_BOARD_CONNECTOR_1x_3.11 J5_U_BOARD_CONNECTOR_1x_3.12 J5_U_BOARD_CONNECTOR_1x_3.MH3 J5_U_BOARD_CONNECTOR_1x_3.MH4 J5_U_BOARD_CONNECTOR_1x_4.9 J5_U_BOARD_CONNECTOR_1x_4.10 J5_U_BOARD_CONNECTOR_1x_4.11 J5_U_BOARD_CONNECTOR_1x_4.12 J5_U_BOARD_CONNECTOR_1x_4.MH3 J5_U_BOARD_CONNECTOR_1x_4.MH4 J6_U_BOARD_CONNECTOR_1x_1.9 J6_U_BOARD_CONNECTOR_1x_1.10 J6_U_BOARD_CONNECTOR_1x_1.11 J6_U_BOARD_CONNECTOR_1x_1.12 J6_U_BOARD_CONNECTOR_1x_1.MH3 J6_U_BOARD_CONNECTOR_1x_1.MH4 J6_U_BOARD_CONNECTOR_1x_2.9 J6_U_BOARD_CONNECTOR_1x_2.10 J6_U_BOARD_CONNECTOR_1x_2.11 J6_U_BOARD_CONNECTOR_1x_2.12 J6_U_BOARD_CONNECTOR_1x_2.MH3 J6_U_BOARD_CONNECTOR_1x_2.MH4 J6_U_BOARD_CONNECTOR_1x_3.9 J6_U_BOARD_CONNECTOR_1x_3.10 J6_U_BOARD_CONNECTOR_1x_3.11 J6_U_BOARD_CONNECTOR_1x_3.12 J6_U_BOARD_CONNECTOR_1x_3.MH3 J6_U_BOARD_CONNECTOR_1x_3.MH4 J6_U_BOARD_CONNECTOR_1x_4.9 J6_U_BOARD_CONNECTOR_1x_4.10 J6_U_BOARD_CONNECTOR_1x_4.11 J6_U_BOARD_CONNECTOR_1x_4.12 J6_U_BOARD_CONNECTOR_1x_4.MH3 J6_U_BOARD_CONNECTOR_1x_4.MH4 J7.41 J7.42 U2.2 U2.6 U3.3 U3.7 U5.2 U5.14 U5.16 U5.24 U5.25 U5.45 U5.61 U12.4 U12.5 U12.6 U12.7 U12.8 U12.9 U12.10 U12.11 U12.12 U12.13 U12.16 U12.17 U12.18 U12.19 U12.20 U12.21 U12.22 U12.26 U12.27 U12.28 U12.31 U12.32 U12.33

## Polygon pours and split planes (outlines as drawn)
GND on GND (split plane): 287 vertices, not listed, extent 0.51,26.51 202.39,109.99
VCC_12V on POWER (split plane): 202.39,109.99 202.39,101.458 201.644,100.713 19.304,100.713 19.229,100.705 19.157,100.684 19.091,100.648 19.033,100.601 17.89,99.458 17.843,99.4 17.807,99.334 17.786,99.262 17.778,99.187 17.778,90.422 13.222,90.422 13.147,90.414 13.075,90.393 13.009,90.357 12.951,90.31 12.903,90.252 12.868,90.186 12.846,90.114 12.839,90.039 12.839,81.022 12.846,80.947 12.868,80.875 12.903,80.809 12.951,80.751 13.009,80.704 13.075,80.668 13.147,80.647 13.222,80.639 20.191,80.639 20.191,56.801 20.199,56.726 20.22,56.654 20.256,56.588 20.303,56.53 20.361,56.482 20.427,56.447 20.499,56.425 20.574,56.418 20.649,56.425 20.721,56.447 20.787,56.482 20.845,56.53 20.892,56.588 20.928,56.654 20.949,56.726 20.957,56.801 20.957,80.639 28.087,80.639 28.162,80.647 28.234,80.668 28.3,80.704 28.358,80.751 28.405,80.809 28.441,80.875 28.462,80.947 28.47,81.022 28.47,90.039 28.462,90.114 28.441,90.186 28.405,90.252 28.358,90.31 28.3,90.357 28.234,90.393 28.162,90.414 28.087,90.422 18.544,90.422 18.544,99.028 19.463,99.947 201.803,99.947 201.878,99.955 201.95,99.976 202.016,100.012 202.074,100.059 202.39,100.375 202.39,26.51 130.175,26.51 130.175,32.512 101.473,32.512 101.473,26.51 0.51,26.51 0.51,109.99
VCC_3V3_FTDI on POWER (split plane): 27.704,81.405 20.615,81.405 20.574,81.409 20.533,81.405 13.604,81.405 13.604,89.656 27.704,89.656

## Other copper
Top Layer:
  region net VBAT: 68.961,50.546 63.5,50.546 63.5,47.625 68.961,47.625
  region net GND: 24.706,57.277 19.88,57.277 19.88,50.8 24.706,50.8
  region net VCC_12V: 7.925,54.88 7.925,43.448 12.878,43.448 12.878,54.88
  region net VCC_12V: 10.287,56.261 10.287,44.704 15.748,44.704 15.748,56.261
  region net VCC_5V: 31.153,49.889 27.268,49.889 27.268,41.781 31.153,41.781
  region net VCC_3V3_FTDI: 19.959,85.213 15.641,85.213 15.641,82.292 19.959,82.292
  region net GND: 19.705,86.737 17.165,86.737 17.165,85.594 19.705,85.594
  region net VCC_FTDI: 10.935,88.896 7.894,88.896 7.894,85.594 10.935,85.594
  region net GND: 14.752,88.896 11.45,88.896 11.45,85.594 14.752,85.594
  region net GND: 9.037,88.896 4.719,88.896 4.719,87.118 9.037,87.118
  region net SHIELD: 8.148,87.118 4.846,87.118 4.846,83.816 8.148,83.816
  region net VCC_5V: 13.473,33.354 13.473,28.528 24.277,28.528 24.277,33.354
  region net GND: 24.15,35.433 24.15,40.259 13.505,40.259 13.505,35.433
  text "TOP" at 35.32,16.14 h1.5
Bottom Layer:
  region net VCC_5V: 13.473,33.274 13.473,27.94 24.023,27.94 24.023,33.274
  region net VBAT: 63.2,50.4 63.2,45.9 65.8,45.9 65.8,50.4
  region net VCC_5V: 30.005,50.058 27.455,50.058 27.455,41.797 30.005,41.797
  region net VCCIO: 26.055,87.626 23.515,87.626 23.515,84.07 26.055,84.07
  region net VCCIO: 24.531,88.515 23.388,88.515 23.388,86.229 24.531,86.229
  region net VCC_3V3_FTDI: 19.959,85.213 15.641,85.213 15.641,82.292 19.959,82.292
  region net GND: 19.578,88.418 16.5,88.418 16.5,85.467 19.578,85.467
  rectangle net VCC_FTDI: 7.894,85.594 10.942,88.896
  region net GND: 14.752,88.896 11.45,88.896 11.45,85.594 14.752,85.594
  region net GND: 9.037,88.896 8.021,88.896 8.021,86.61 9.037,86.61
  region net GND: 9.037,87.88 4.719,87.88 4.719,86.61 9.037,86.61
  region net SHIELD: 8.021,86.102 4.719,86.102 4.719,83.562 8.021,83.562
  region net GND: 24.15,34.163 24.15,40.005 13.505,40.005 13.505,34.163
  text "BOT" at 39.818,16.099 h1.5
GND (plane layer: these items are gaps in the copper):
  region: 130.175,32.512 101.473,32.512 101.473,25.908 130.175,25.908
  lines w0.762: 0,71.374 0.508,70.866 9.398,70.866 9.398,74.168 ; 7.112,86.995 8.509,85.598 ; 8.001,75.565 8.001,96.901 12.319,101.219 17.399,106.299 22.352,106.299 27.178,101.473 33.274,101.473 38.354,106.553 42.037,106.553 46.996,101.594 61.535,101.594 66.621,106.68 70.358,106.68 75.291,101.747 82.054,101.747 86.732,106.426 91.313,106.426 96.139,101.6 111.252,101.6 116.205,106.553 119.104,106.553 124.184,101.473 131.699,101.473 137.16,106.934 139.573,106.934 144.907,101.6 159.131,101.6 164.084,106.553 167.767,106.553 172.593,101.727 181.102,101.727 185.547,106.172 187.579,106.172 191.389,102.362 202.819,102.362
POWER (plane layer: these items are gaps in the copper):
  region: 130.175,32.512 101.473,32.512 101.473,25.908 130.175,25.908
  lines w0.762: 11.45,28.067 32.405,28.067 32.405,51.721 30.976,51.721 26.69,51.721 26.69,43.243 26.69,39.497 11.45,39.497 ; 18.161,90.17 18.161,99.187 19.304,100.33 201.803,100.33 202.692,101.219 ; 20.574,56.801 20.574,81.026 ; 13.222,81.022 28.087,81.022 28.087,90.039 13.222,90.039 13.222,81.022

## Dimensions
202.9,26 to 202.9,110.5 on Top Layer
202.9,26 to 0,26 on Top Layer

## Text inside footprints (layer, text, board x,y; h text height)
J3: Top Overlay "1" at 68.253,43.699 h0.76 r90
P2: Top Overlay "1" at 9.144,51.562 h0.76